# Altium PCB Double-Width Hub Bridge.PcbDoc (part 1 of 3)
Units mm, origin at the board's own origin, x right, y up, seen from the top; angles counter-clockwise.
Board outline 120 x 42.8 mm, 10 copper layers (Top Layer, Layer 2, Layer 3, Layer 4, Layer 5, Layer 6, Layer 7, Layer 8, Layer 9, Bottom Layer), stack 1.595 mm thick; 132 components, 172 nets, 1094 pads, 369 vias.
Unrouted connection lines stored in the file: 40.
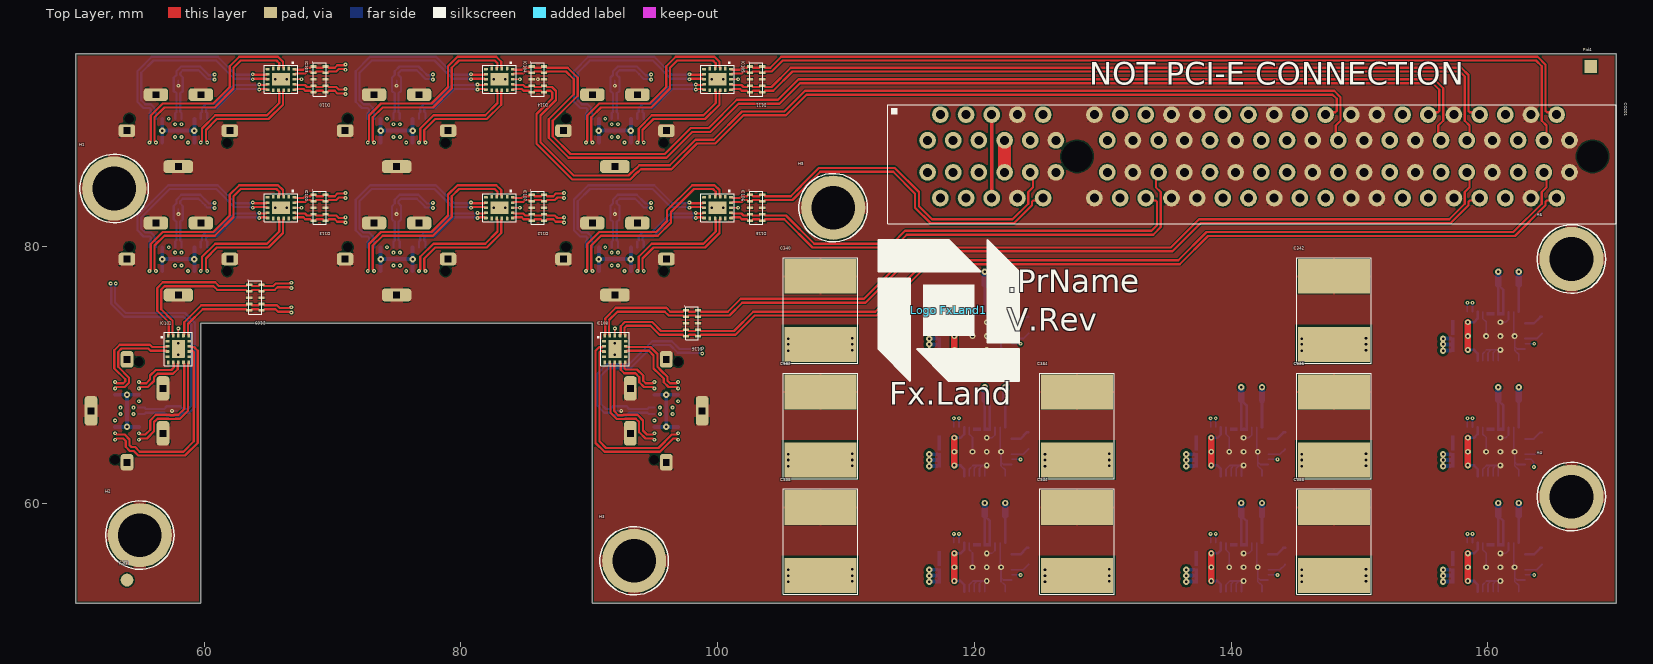
[diagram p0: Top Layer view]
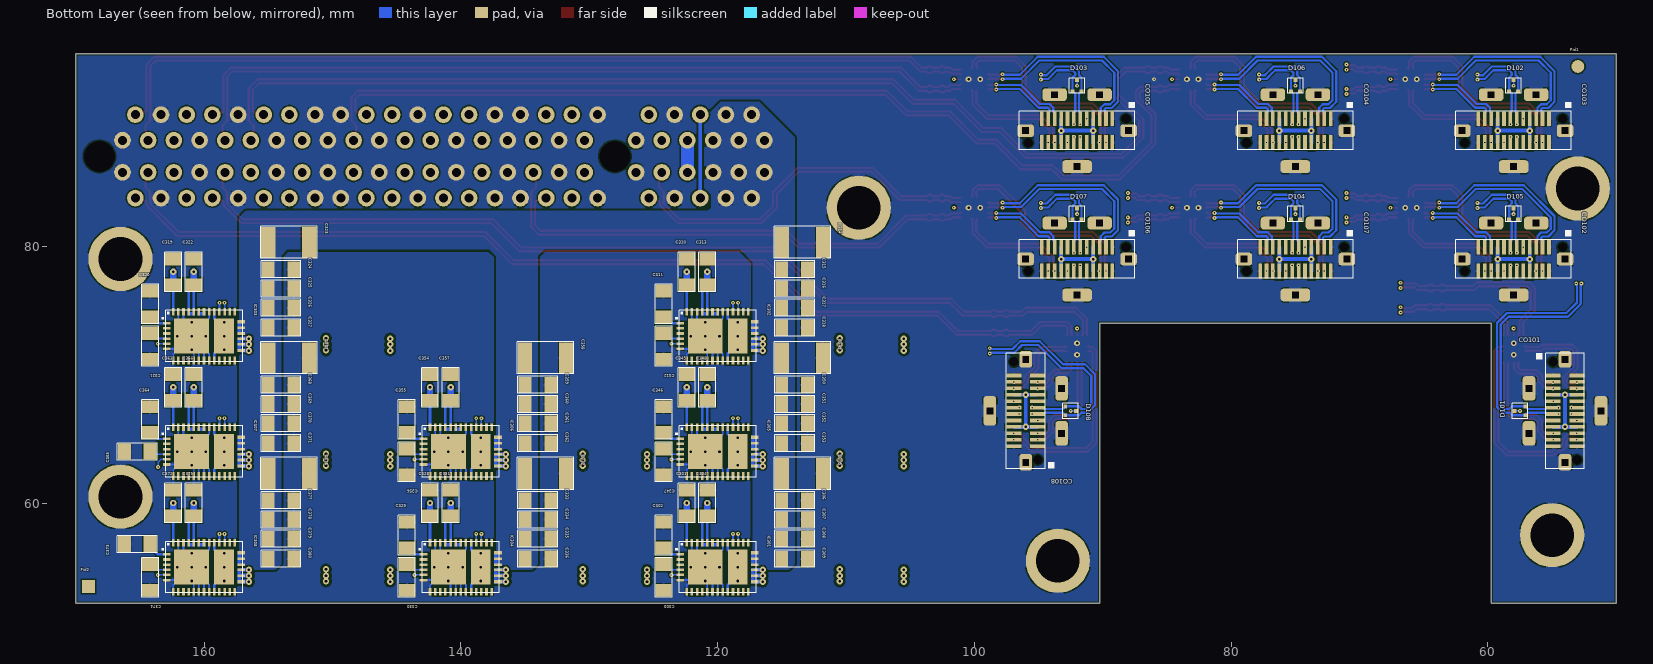
[diagram p1: Bottom Layer view, seen from below]
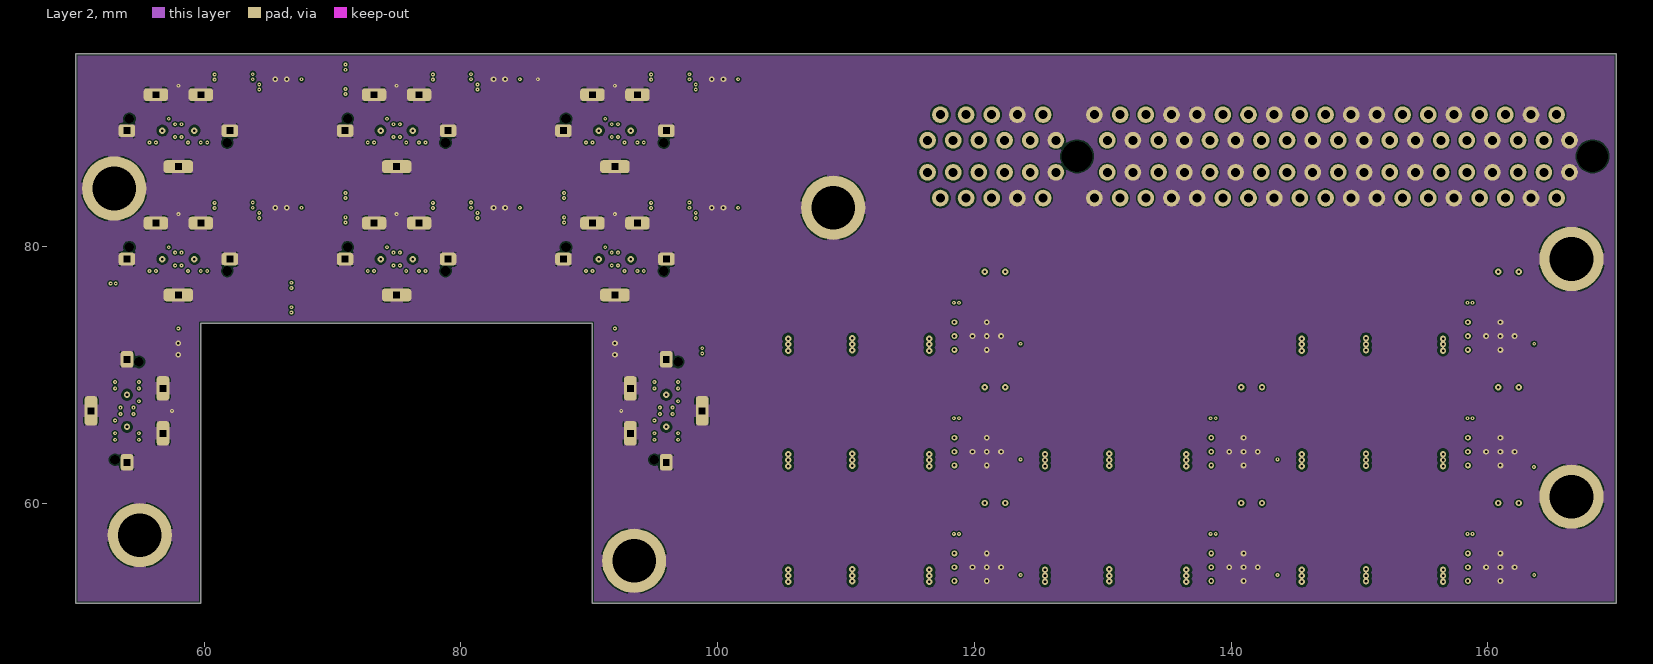
[diagram p2: Layer 2]
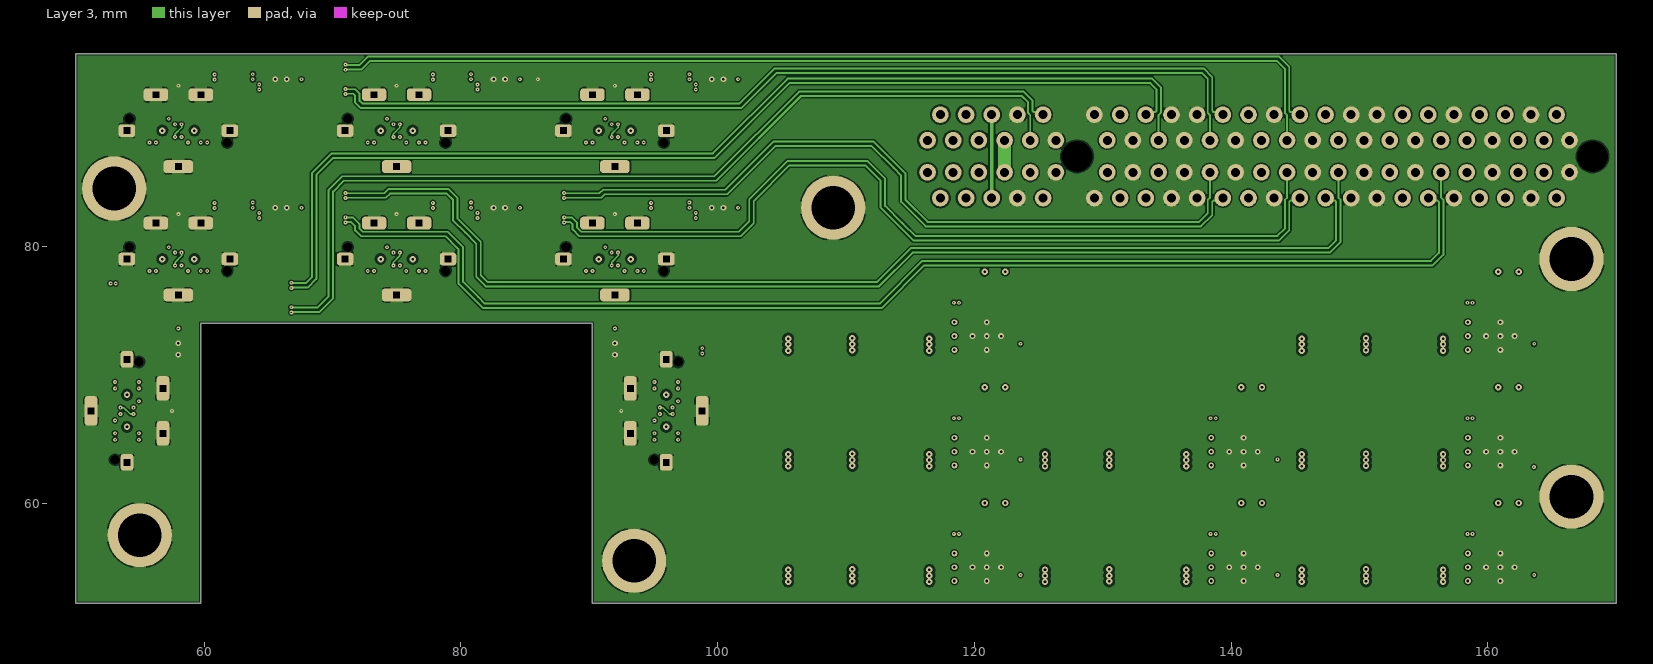
[diagram p3: Layer 3]
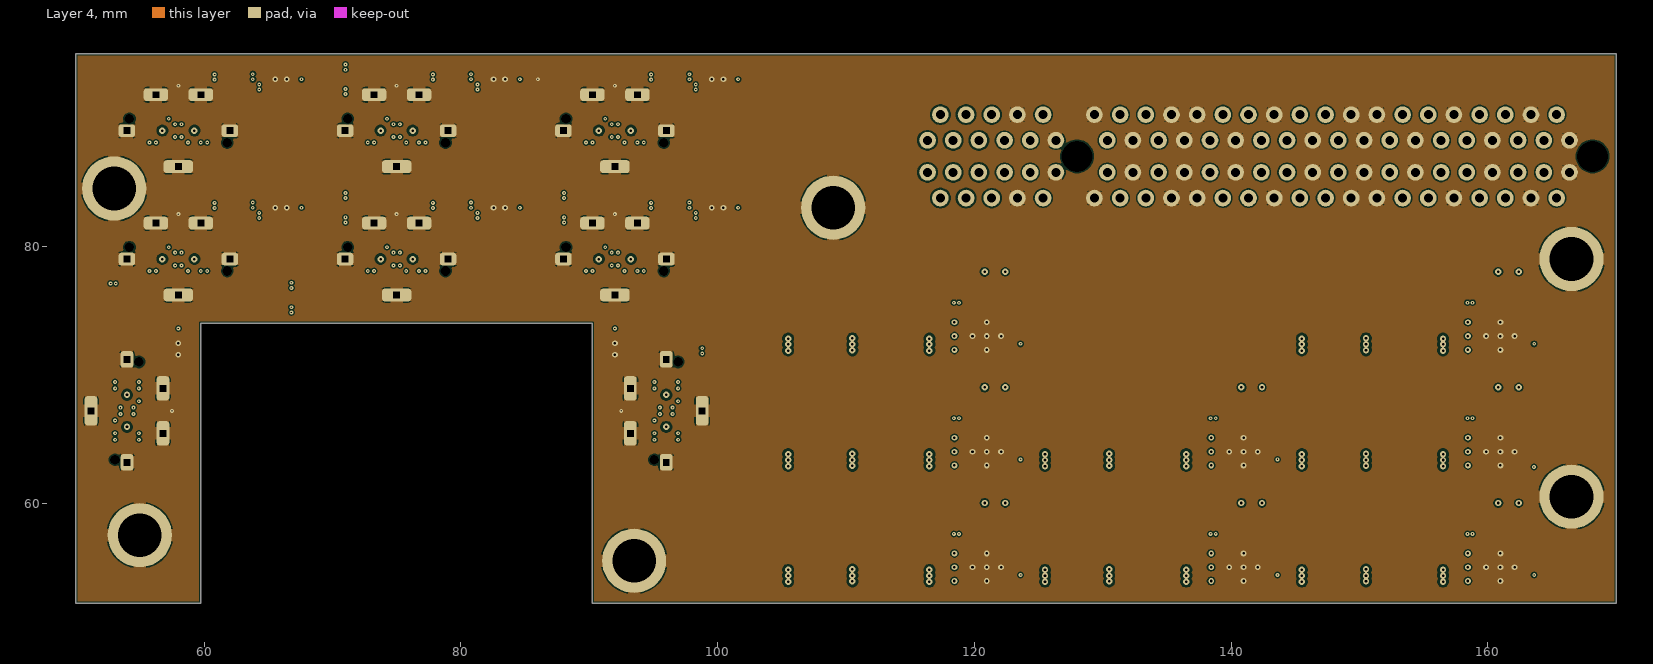
[diagram p4: Layer 4]
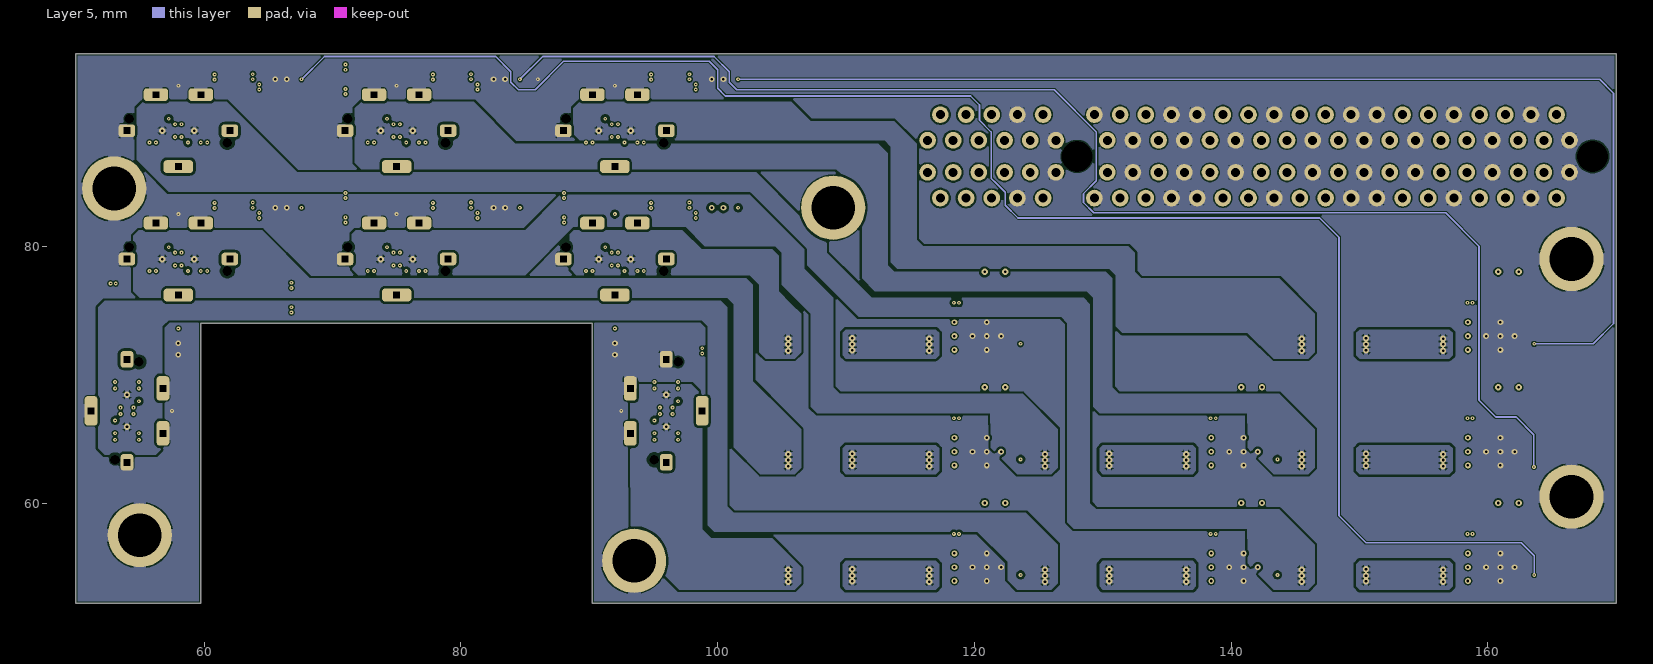
[diagram p5: Layer 5]
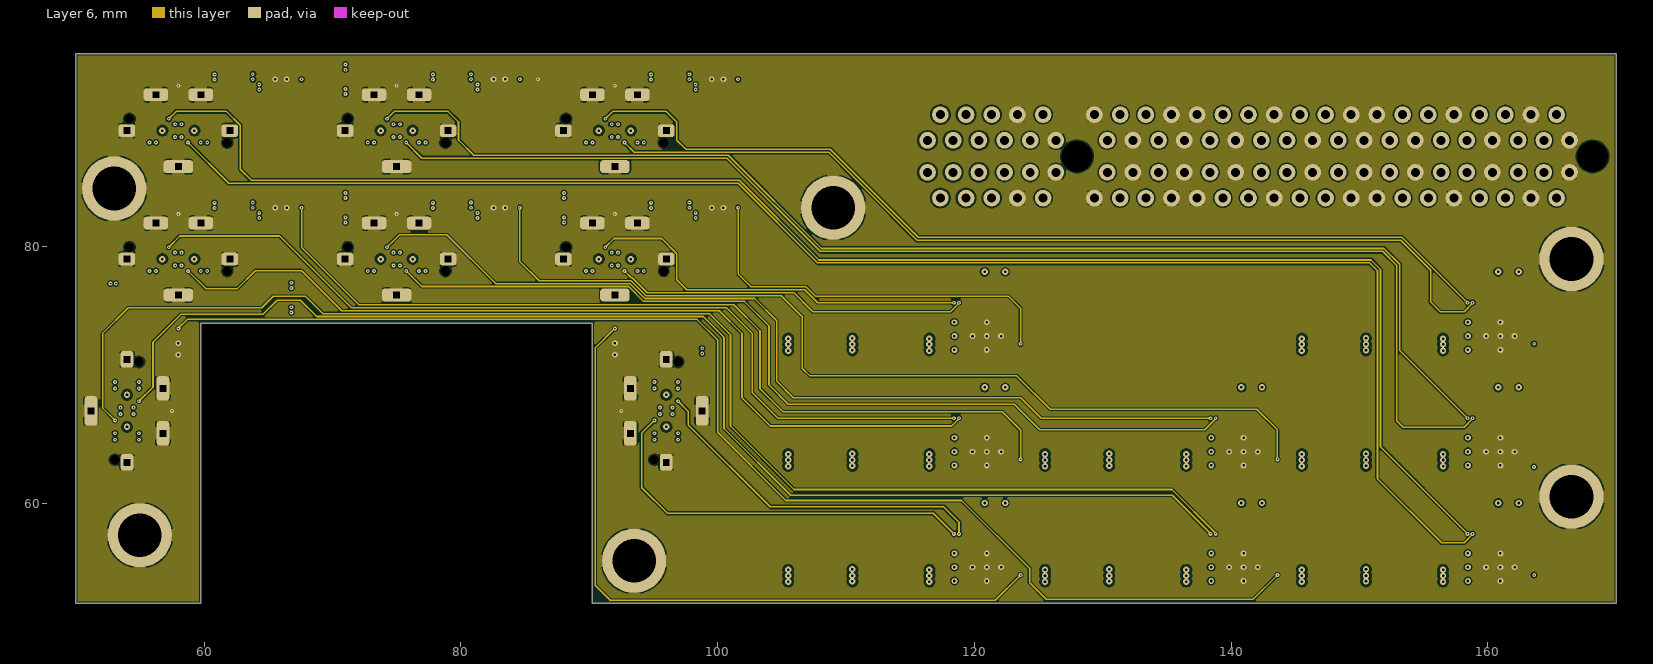
[diagram p6: Layer 6]
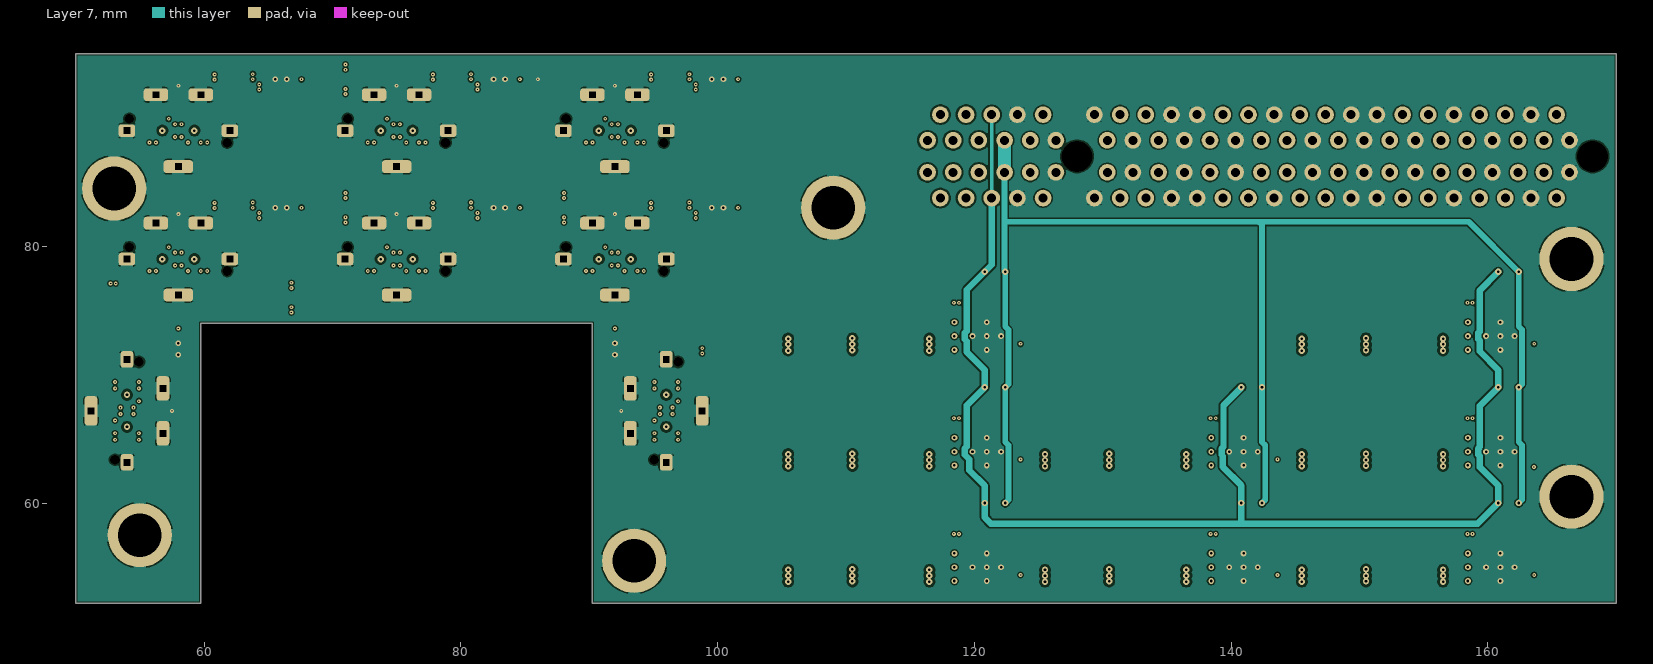
[diagram p7: Layer 7]
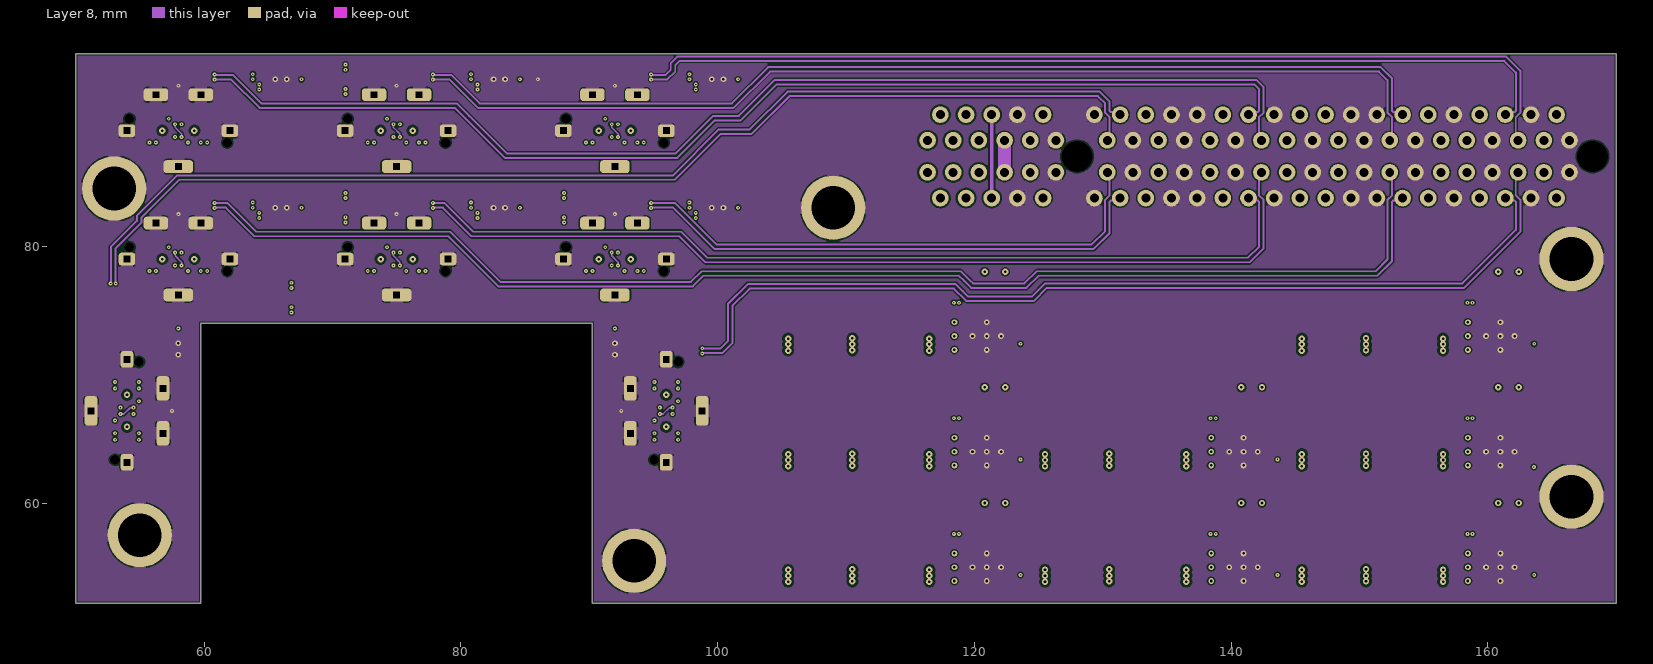
[diagram p8: Layer 8]
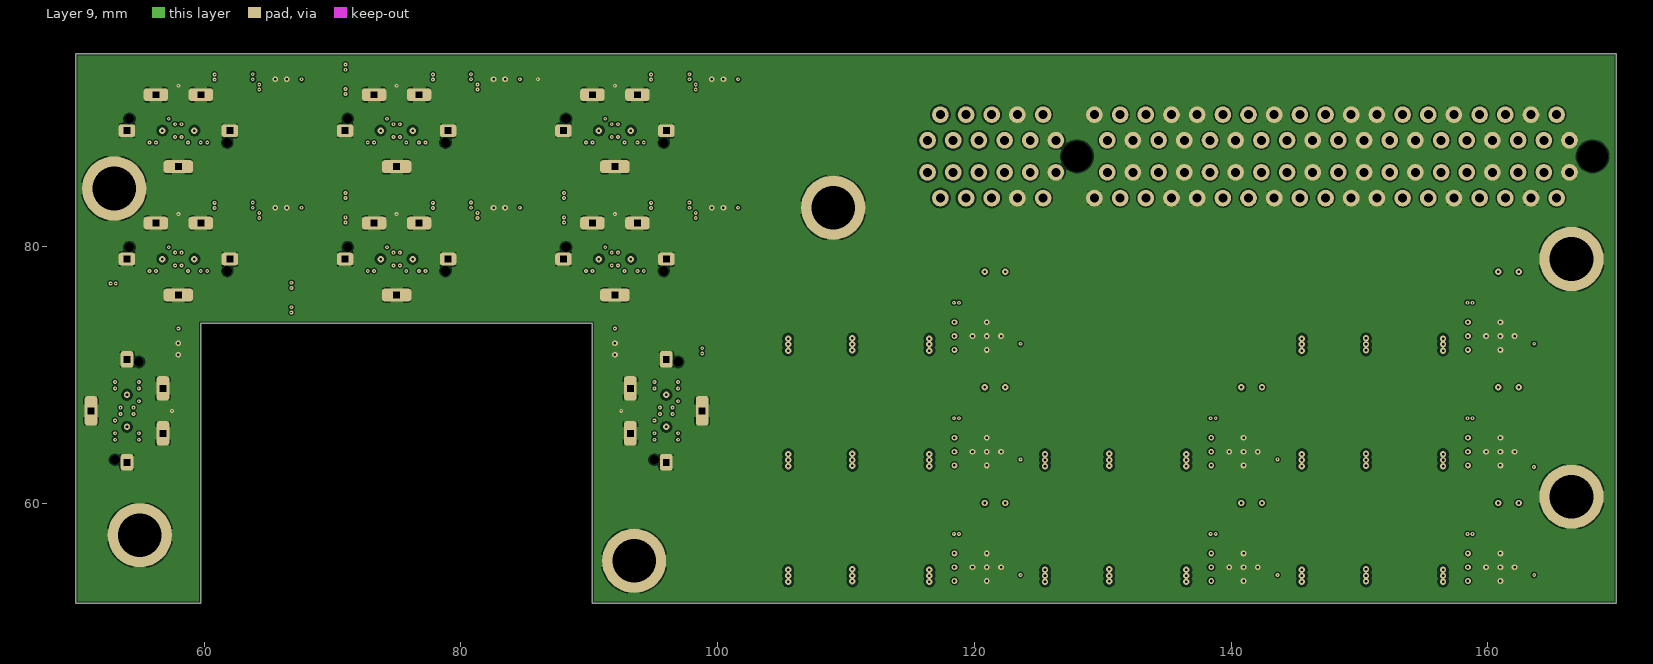
[diagram p9: Layer 9]
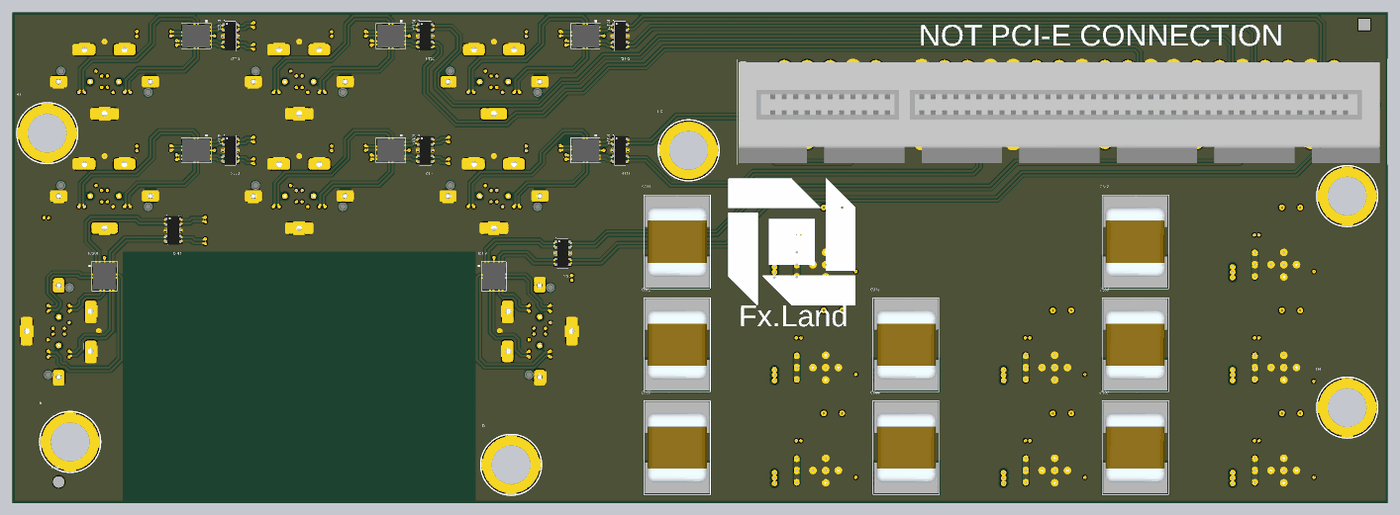
[diagram p12: 3D render of the assembled board from above, using the file's embedded part models]
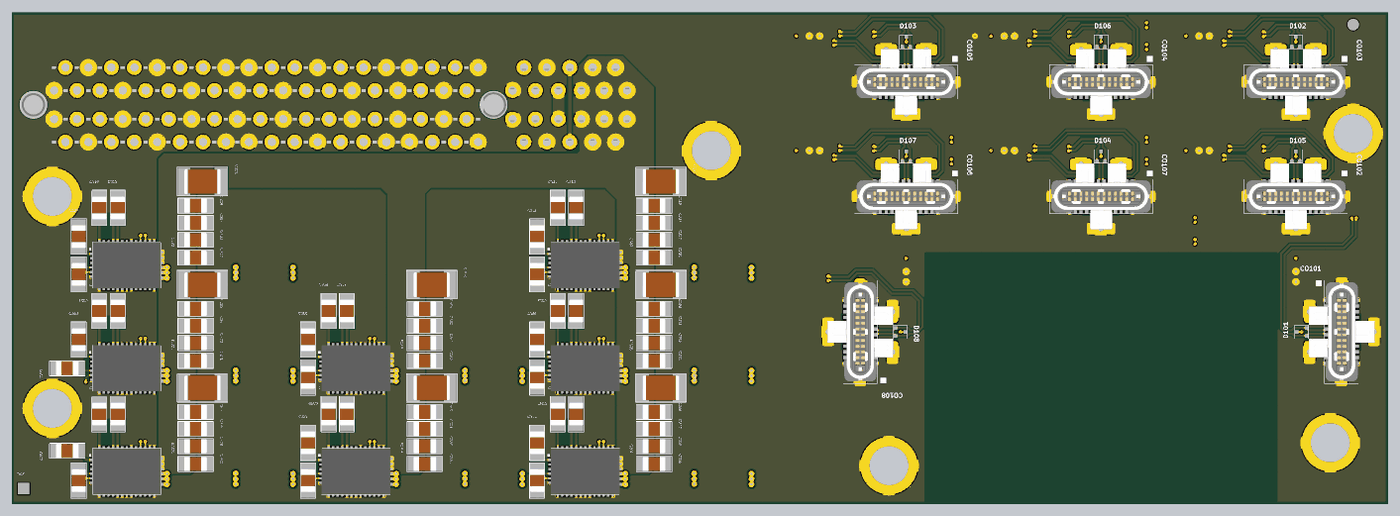
[diagram p13: 3D render of the assembled board from below, using the file's embedded part models]

## Layer stack, top to bottom
Top Solder: solder mask 0.0102, Solder Resist, Dk 3.5
Top Layer: signal copper 0.035
Dielectric 1: prepreg 0.1295, PP-017, Dk 4.3
Layer 2: signal copper 0.018
Dielectric 2: core 0.2032, Core-025, Dk 4.6
Layer 3: signal copper 0.018
Dielectric 3: prepreg 0.1295, PP-017, Dk 4.3
Layer 4: signal copper 0.018
Dielectric 4: core 0.2032, Core-025, Dk 4.6
Layer 5: signal copper 0.0175
Dielectric 5: prepreg 0.0508, PP-001, Dk 3.9
Layer 6: signal copper 0.0175
Dielectric 6: core 0.2032, Core-025, Dk 4.6
Layer 7: signal copper 0.018
Dielectric 7: prepreg 0.1295, PP-017, Dk 4.3
Layer 8: signal copper 0.018
Dielectric 8: core 0.2032, Core-025, Dk 4.6
Layer 9: signal copper 0.018
Dielectric 9: prepreg 0.1295, PP-017, Dk 4.3
Bottom Layer: signal copper 0.035
Bottom Solder: solder mask 0.0102, Solder Resist, Dk 3.5

## Board outline
50,52.2 50,95 170,95 170,52.2 90.25,52.2 90.25,74 59.75,74 59.75,52.2
